# KiCad board VNTR-65.kicad_pcb (continued)
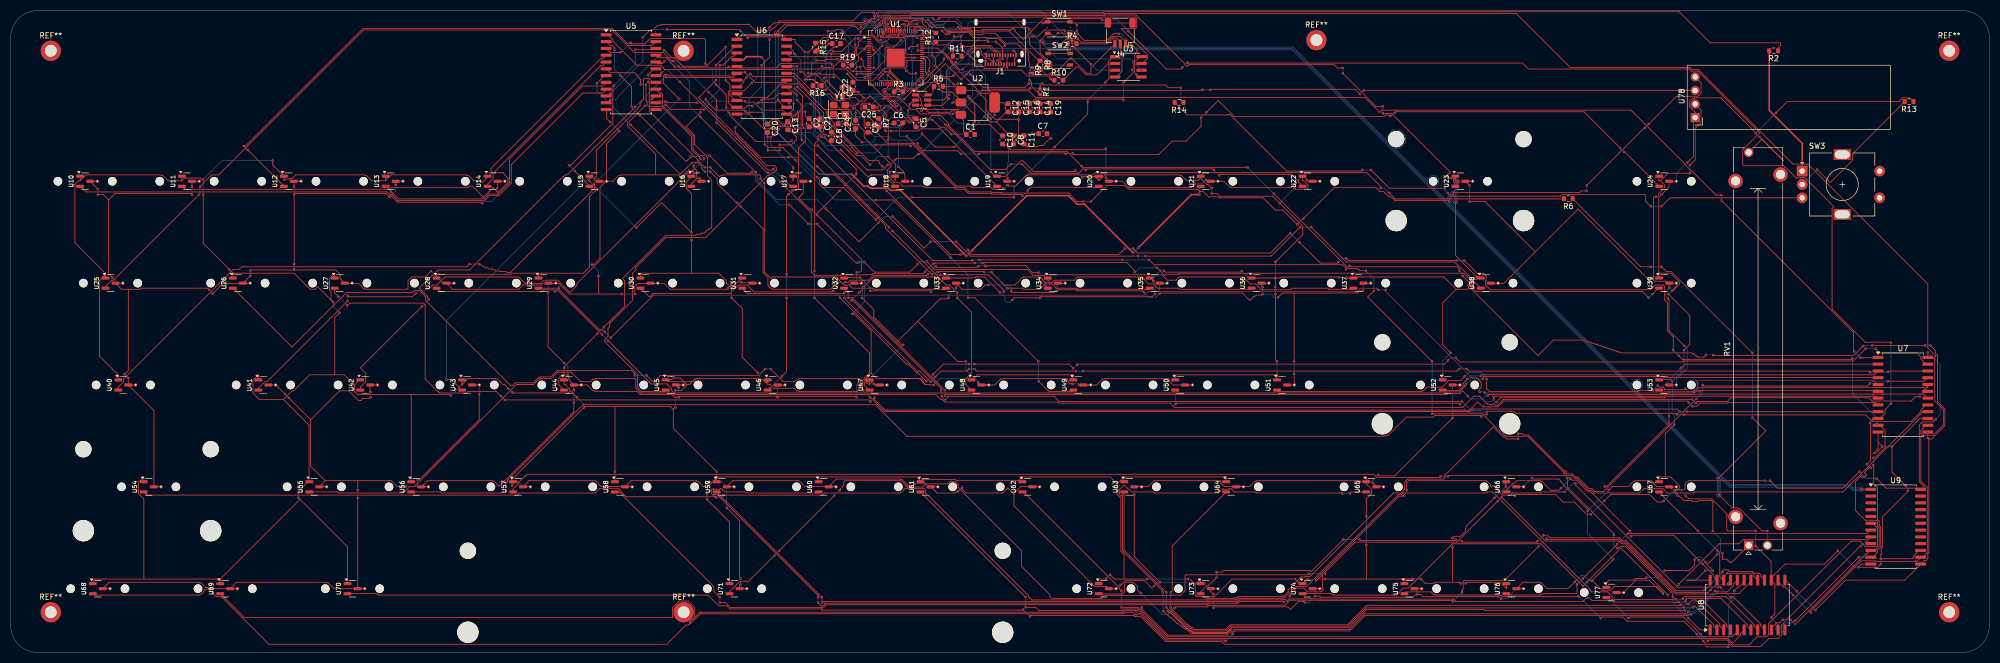
[diagram p0: board, top side]
## Routing (per net, layer and track width the routed paths; a pad name or vN(x,y) marks a point on that pad's centre or on a via; arc(x,y) is an arc through that point) (continued)
Net-(U11-VOUT): length 97.7
  Top w0.15: 111.4,110.4 110.7,109.7 110.3,109.7 90.5,89.9 90.5,89.7 92.2,89.7 92.2,89.5 93,88.7 93,87.9 91.1,86 90.2,86.9 88.4,85.1 86.3,87.2 85.8,87.2 85.6,87 85.3,87 85.2,86.9 71.2,86.9 70.9,86.6 32.6,86.6 32,87.2
Net-(U12-VOUT): length 98.3
  Top w0.15: v1(44.3,94) 51.1,87.2 ; v1(43.6,94.7) 43.9,94.7 65.9,116.7 112.5,116.7 115.7,113.5 119.9,113.5 120.6,114.2
  Bottom w0.15: v1(43.6,94.7) v1(44.3,94)
Net-(U13-VOUT): length 53.8
  Top w0.15: v1(71.1,86.2) 72.5,84.8 88.5,84.8 89.4,85.7 91.2,85.7 93.3,87.8 93.3,92.3 106.9,105.9 110.7,105.9 111.4,106.6
  Bottom w0.15: v1(71.1,86.2) v1(70.2,87.1)
Net-(U14-VOUT): length 34.3
  Top w0.15: 89.2,87.2 89.2,87.6 90.2,88.6 90.2,89.6 89.8,90 89.8,90.5 110.3,111 110.7,111 111.4,111.7
Net-(U15-VOUT): length 36.2
  Top w0.15: v1(112.8,106) 112.6,105.8 112.6,99 104.7,91.1 v1(104.4,91.1) ; v1(116.8,112.7) 120.4,112.7 120.6,112.9 ; v1(105.5,90) 108.2,87.3
  Bottom w0.15: v1(116.8,112.7) 116.8,110 v1(112.8,106) ; v1(104.4,91.1) v1(105.5,90)
Net-(U16-VOUT): length 28.8
  Top w0.15: 120.3,109.1 v1(119.2,108) ; v1(119.2,106.7) 119.4,106.5 119.4,102.4 119.7,102.1 121.7,102.1 127.3,96.5 127.3,94 v1(129,92.3) ; v1(127.7,91) 127.7,90.7 128.3,90.1 128.3,88.6 127.3,87.6 127.3,87.2
  Bottom w0.15: v1(129,92.3) v1(127.7,91) ; v1(119.2,108) v1(119.2,106.7)
Net-(U17-VOUT): length 34.2
  Top w0.15: v1(144.3,88.7) 145.8,87.2 ; 121.2,107.9 v1(121.7,108.4) ; v1(142.6,90.4) 142.4,90.2 141.6,90.2 v1(125.1,106.7)
  Bottom w0.15: 121.8,108.4 122.4,109 122.8,109 v1(125.1,106.7) ; v1(142.6,90.4) v1(144.3,88.7)
Net-(U18-VOUT): length 43.2
  Top w0.15: 135.8,104.5 136.5,103.8 141.5,103.8 144,106.3 146.9,106.3 147,106.4 147.3,106.4 152.2,101.5 156.8,101.5 157.2,101.1 157.2,99.1 157.6,98.7 158.4,98.7 159.6,97.5 159.6,96.3 164.6,91.3 164.6,90.9 164,90.3 164,88.6 165.4,87.2
Net-(U19-VOUT): length 62.3
  Top w0.15: v1(164.6,97.5) 169.7,97.5 170.1,97.9 173.8,97.9 176.9,94.8 176.9,94.7 184.4,87.2 ; v1(137.6,107.5) 137.1,107 137.1,106.7 136.1,105.7 ; v1(163.6,97.5) 163.5,97.6 163.5,99.9 163.8,100.2 163.8,100.6 162.7,101.7 162.7,102.1 160.7,104.1 159.7,103.1 158.6,103.1 157.9,103.8 157,103.8 156.8,103.6 156.2,103.6 155.8,103.2 154.3,103.2 153.1,104.4 149.7,104.4 146.4,107.7 138.8,107.7 v1(138.3,108.2)
  Bottom w0.15: v1(164.6,97.5) v1(163.6,97.5) ; v1(138.3,108.2) v1(137.6,107.5)
Net-(U20-VOUT): length 89.7
  Top w0.15: 203.5,87.2 203.2,86.9 199.1,86.9 199,87 190.8,87 v1(190.2,86.4) ; 153.6,110 153.4,110.2 147,110.2 146.9,110.1 144,110.1 143.2,109.3 136.1,109.3 135.8,109.6 ; v1(189.2,85.4) 189,85.6 185.3,85.6 185.2,85.7 183.4,85.7 183.3,85.8 179.1,85.8 178.3,86.6 176.7,86.6 176.4,86.9 171.2,86.9 171.1,87 170.9,87 170.7,87.2 166.8,87.2 166.1,87.9 165.2,87.9 164.4,88.7 164.4,89.8 v1(164.5,89.9) ; v1(153.9,107.6) 152.3,107.6 v1(152.1,107.4) ; v1(163,90.9) 162.4,91.5 162.4,91.8 162.2,92 160.4,92 154,98.4 154,99 152.7,100.3 v1(152.7,101)
  Bottom w0.15: v1(152.7,101) 151.5,102.2 151.5,106.8 v1(152.1,107.4) ; v1(153.6,109.9) 153.9,109.6 v1(153.9,107.6) ; v1(189.2,85.4) v1(190.2,86.4) ; v1(163,90.9) 164,89.9 v1(164.5,89.9)
Net-(U21-VOUT): length 123.7
  Top w0.3: v1(157.3,89.4) 159.5,87.2 160.3,87.2 160.6,86.9 160.8,86.9 160.9,86.8 164.1,86.8 164.5,86.4 166.4,86.4 v1(178.7,74.1) ; v1(209.9,74.7) 200.8,83.8 199.4,83.8 197.8,85.4 190,85.4 v1(179.7,75.1) ; v1(210.9,75.7) 220.8,85.6 v1(222.3,85.6) ; 135.8,110.8 137,110.8 137.6,111.4 140.3,111.4 v1(140.4,111.3)
  Bottom w0.3: v1(157.3,89.4) 151.2,89.4 140.9,99.7 140.9,110.8 v1(140.4,111.3) ; v1(209.9,74.7) v1(210.9,75.7) ; v1(222.3,85.6) v1(222.3,87) ; v1(178.7,74.1) v1(179.7,75.1)
Net-(U22-VOUT): length 114
  Top w0.15: 241.6,87.2 240.8,88 240.8,88.1 239.5,89.4 226.2,89.4 v1(226,89.2) ; v1(200.3,90.9) 197.5,93.7 180.2,93.7 175.4,98.5 175.4,98.9 173.9,100.4 172.3,100.4 171.8,99.9 171.8,99.8 171.7,99.7 171.7,99.6 171.2,99.1 v1(170.2,99.1) ; v1(147.7,108.6) 148,108.6 148.9,107.7 149.3,107.7 149.6,108 150.8,108 152.3,106.5 152.3,106 v1(154.5,103.8) ; v1(163.2,103.5) 163.4,103.7 163.5,103.7 v1(168.1,99.1) ; v1(146.6,111.9) 146.4,112.1 146.4,112.4 145.4,113.4 ; v1(201,90.2) 201.2,90.4 224.8,90.4 v1(225,90.2)
  Bottom w0.15: v1(163.2,103.5) 162,103.5 158.7,100.2 157.8,100.2 154.5,103.5 v1(154.5,103.8) ; v1(146.6,111.9) 147.7,110.8 v1(147.7,108.6) ; v1(170.2,99.1) v1(168.1,99.1) ; v1(226,89.2) v1(225,90.2) ; v1(201,90.2) v1(200.3,90.9)
Net-(U23-VOUT): length 150.5
  Top w0.15: v1(256.6,102.1) 255.3,102.1 v1(249.1,108.3) ; U23.2 271,88 270.62,88.38 270.62,88.02 270.38,87.78 270.02,87.78 269.77,88.02 269.77,88.38 269.95,88.55 269.95,88.58 269.42,88.58 269.25,88.75 269.18,88.67 268.82,88.67 268.57,88.92 268.57,89.28 268.82,89.53 268.97,89.53 269.22,89.78 258.2,100.8 v1(256.6,100.8) ; v1(157.9,113.6) 157.9,112.5 157.8,112.4 157.8,111.7 157.5,111.4 145.8,111.4 145.1,112.1 ; v1(158.9,116) 159,116.1 159,116.2 161,118.2 161.4,117.8 161.6,117.8 162.1,118.3 162.3,118.3 162.8,118.8 168.2,118.8 168.5,119.1 204.5,119.1 204.6,119.2 210.4,119.2 220,109.6 220.2,109.8 220.3,109.8 220.4,109.9 247.5,109.9 248.1,109.3 v1(249.1,109.3)
  Bottom w0.15: v1(158.9,116) 158.9,115.7 158.7,115.5 158.3,115.5 157.9,115.1 v1(157.9,113.6) ; v1(249.1,109.3) v1(249.1,108.3) ; v1(256.6,102.1) v1(256.6,100.8)
Net-(U24-VOUT): length 187.3
  Top w0.15: v1(222.6,100) 222.6,98.4 219.8,95.6 217.2,95.6 214.7,93.1 198.8,93.1 v1(198.6,93.3) ; v1(301,94.3) 294.2,101.1 259,101.1 v1(258.8,100.9) ; v1(177.7,93.2) 177.1,93.8 170.7,93.8 169.6,94.9 v1(169.6,95.2) ; v1(168.3,94.7) 168.1,94.9 v1(161.7,94.9) ; v1(223.6,101) 225.8,103.2 228.8,100.2 256.8,100.2 257.1,100.5 257.8,100.5 v1(258,100.3) ; 145.1,108.3 146.5,108.3 v1(149.9,104.9) ; v1(181,93.2) 181.2,93.4 197.1,93.4 v1(197.3,93.2) ; 308.2,87.2 301.8,93.6
  Bottom w0.15: v1(161.7,94.9) 159.4,94.9 159.3,94.8 152.4,94.8 150.2,97 150.2,104.6 v1(149.9,104.9) ; v1(197.3,93.2) 197.4,93.3 v1(198.6,93.3) ; v1(223.6,101) v1(222.6,100) ; v1(301.7,93.6) v1(301,94.3) ; v1(168.3,94.7) 168.8,95.2 v1(169.6,95.2) ; v1(181,93.2) v1(177.7,93.2) ; v1(258.8,100.9) 258.6,100.9 v1(258,100.3)
Net-(U25-VOUT): length 153
  Top w0.15: v1(137.3,108.5) 139.2,106.6 145.1,106.6 145.1,107 ; 17.7,68.1 17.7,68.4 18.9,69.6 19.2,69.6 v1(35.2,85.6) ; v1(123.9,110.6) 123.6,110.6 122,112.2 116.6,112.2 112.4,116.4 66,116.4 38.9,89.3 37.7,89.3 37.5,89.1 37.4,89.1 v1(35.4,87.1) ; v1(124.9,109.6) 125.2,109.3 134.1,109.3 v1(134.3,109.5)
  Bottom w0.15: v1(137.3,108.5) 135.3,108.5 v1(134.3,109.5) ; v1(35.4,87.1) 35.4,85.8 v1(35.2,85.6) ; v1(124.9,109.6) v1(123.9,110.6)
Net-(U26-VOUT): length 332.7
  Top w0.15: v1(313.5,45) U7.9 ; 41.6,68.1 52.6,57.1 62.8,67.3 75.1,67.3 75.5,67.7 76.4,67.7 77.6,66.5 77.6,65.8 93.5,49.9 93.9,49.9 94.4,50.4 97.7,50.4 98.7,51.4 98.9,51.4 99,51.5 101,51.5 102.2,52.7 116.1,52.7 116.7,52.1 v1(116.7,51.8) ; v1(142.1,53) 144.5,50.6 146.5,50.6 147,51.1 147.3,51.1 147.4,51.2 158.7,51.2 158.9,51 158.9,50.5 159.3,50.1 159.3,49.1 v1(159.4,49) ; v1(160.7,47.7) 162.9,45.5 162.95,45.5 163.4,45.05 272.9,45.05 273.35,45.5 311.6,45.5 v1(312.1,45) ; v1(141.1,53) 139.9,51.8 121.5,51.8 120.2,50.5 v1(118.9,51.8)
  Bottom w0.15: v1(312.1,45) v1(313.5,45) ; v1(116.7,51.8) v1(118.9,51.8) ; v1(159.4,49) v1(160.7,47.7) ; v1(141.1,53) v1(142.1,53)
Net-(U27-VOUT): length 310.2
  Top w0.15: v1(161.5,47.6) 161.5,47.3 163.5,45.3 272.8,45.3 274.2,46.7 274.5,46.7 275.3,45.9 278.1,45.9 279.2,47 313.5,47 v1(313.8,46.7) ; v1(61.3,66.5) 60.6,67.2 U27.2 ; v1(92.4,47.2) 160.5,47.2 v1(160.8,46.9) ; 63,64.9 63.4,65.3 77.1,65.3 77.5,64.9 77.5,51.1 79.6,49 79.7,49 80.2,48.5 85.2,48.5 85.5,48.8 90.6,48.8 90.7,48.9 v1(91.7,47.9) ; v1(314.5,46) 315.3,46 315.9,46.6 321.1,46.6 321.2,46.7 348.8,46.7 349.2,46.3
  Bottom w0.15: v1(62.9,64.9) v1(61.3,66.5) ; v1(161.5,47.6) v1(160.8,46.9) ; v1(314.5,46) v1(313.8,46.7) ; v1(92.4,47.2) v1(91.7,47.9)
Net-(U28-VOUT): length 290.5
  Top w0.1: 273.3,51.3 257.1,67.5 ; 255.4,68.1 252.4,68.1 251.8,67.5 212.8,67.5 212.1,66.8 120.2,66.8 ; 349.2,50.1 348.5,50.8 315.1,50.8 ; 275.7,48.5 309,48.5 309.3,48.8 314.5,48.8
  Top w0.15: v1(255.7,67.8) 255.4,68.1 ; v1(274.7,48.7) 274.72,49.28 275,49.6 275,50.3 274.84,50.52 274.8,50.6 274.81,50.65 274.43,51.02 274.1,51.3 273.3,51.3 ; 315.1,50.8 315.5,50.4 315.4,50.3 315.4,49.5 314.9,49 314.8,49 314.7,48.9 314.6,48.9 314.5,48.8 ; v1(102.5,68.2) 102.5,67.9 110.1,60.3 110.7,60.3 v1(111.1,59.9) ; 257.1,67.5 257.1,67.8 ; v1(101.8,67.5) 101.5,67.8 99.7,67.8 99.4,67.5 80.2,67.5 79.6,68.1 ; 120.2,66.8 112.2,58.8
  Bottom w0.15: 275.7,48.5 275.5,48.7 v1(274.7,48.7) ; 257.1,67.8 v1(255.7,67.8) ; 112.2,58.8 v1(111.1,59.9) ; v1(102.5,68.2) v1(101.8,67.5)
  vias: v1(112.23,58.83) v1(257.12,67.79) v1(275.67,48.53)
Net-(U29-VOUT): length 260.9
  Top w0.15: 275.2,51.2 275.4,51.4 275.4,51.5 275.5,51.6 308.9,51.6 309.1,51.4 349.2,51.4 ; v1(111.7,58.3) 119.4,50.6 119.4,50.5 119.7,50.2 122.7,50.2 123.6,49.3 123.6,49 124.1,48.5 268.5,48.5 268.7,48.7 270.9,48.7 271.9,49.7 271.9,49.9 v1(272.1,50.1) ; U29.2 101.9,68.1 v1(110.6,59.4)
  Bottom w0.15: 272.2,50.1 273,50.9 273,51.3 273.1,51.4 273.8,51.4 274.1,51.1 275,51.1 275.1,51.2 v1(275.3,51.2) ; v1(111.7,58.3) v1(110.6,59.4)
Net-(U30-VOUT): length 254.8
  Top w0.15: v1(155.1,66.3) 167.5,53.9 167.8,53.9 169.4,52.3 169.6,52.3 v1(171.2,50.7) ; v1(348.7,56.8) 349.5,56 356.4,56 357.2,55.2 357.2,54.9 358.2,53.9 ; v1(153.8,67.6) 153.6,67.4 139,67.4 137.7,68.7 136.1,68.7 134.5,67.1 120.1,67.1 119.5,66.5 119.4,66.5 117.8,68.1 ; v1(346.9,56.8) 344.6,54.5 312.9,54.5 312.7,54.3 271,54.3 v1(270.2,55.1) ; v1(198.7,53.1) 197.9,53.9 v1(180.2,53.9) ; v1(199.4,53.8) 199.5,53.9 268.1,53.9 v1(268.8,54.6) ; v1(179.2,53.9) 174.4,53.9 v1(172.5,52)
  Bottom w0.15: v1(268.8,54.6) 269.3,55.1 v1(270.2,55.1) ; v1(198.7,53.1) v1(199.4,53.8) ; v1(171.2,50.7) v1(172.5,52) ; v1(179.2,53.9) v1(180.2,53.9) ; v1(153.8,67.6) v1(155.1,66.3) ; v1(346.9,56.8) v1(348.7,56.8)
Net-(U31-VOUT): length 231.4
  Top w0.15: v1(180.2,53) 180.6,52.6 v1(199.2,52.6) ; v1(351,52.4) 351.2,52.6 358.5,52.6 ; v1(270.9,53) 270.5,52.6 v1(200.5,52.6) ; v1(179.2,53) 178.8,52.6 174,52.6 v1(172.9,51.5) ; U31.2 137.8,67.1 155.7,67.1 v1(155.9,67.3) ; v1(347.7,52.4) 347.5,52.6 272.7,52.6 v1(272.3,53) ; v1(155.9,66.3) 156.1,66.1 156.1,66 169.5,52.6 170,52.6 v1(172,50.6)
  Bottom w0.15: v1(155.9,67.3) v1(155.9,66.3) ; v1(347.7,52.4) v1(351,52.4) ; v1(172,50.6) v1(172.9,51.5) ; v1(179.2,53) v1(180.2,53) ; v1(199.2,52.6) v1(200.5,52.6) ; v1(270.9,53) v1(272.3,53)
Net-(U32-VOUT): length 214.4
  Top w0.15: v1(156.6,67.3) 155.8,68.1 ; v1(272.5,47.9) 271.5,48.9 271,48.4 268.8,48.4 268.6,48.2 174.9,48.2 v1(174.7,48) ; 358.5,48.8 357.8,49.5 315.8,49.5 314.9,48.6 314.7,48.6 314.6,48.5 309.4,48.5 309.1,48.2 276.4,48.2 v1(276.2,48) ; v1(156.6,66.3) 157.4,66.3 v1(174.7,49)
  Bottom w0.15: v1(276.2,48) 275.9,48 275.3,47.4 273,47.4 v1(272.5,47.9) ; v1(174.7,48) v1(174.7,49) ; v1(156.6,66.3) v1(156.6,67.3)
Net-(U33-VOUT): length 233.2
  Top w0.15: v1(174,49) 174,49.3 157.4,65.9 157.1,65.9 v1(157.2,65.8) ; 358.5,47.5 357.7,48.3 357.6,48.2 357.5,48.3 350.2,48.3 350.1,48.2 350,48.3 348.4,48.3 348.3,48.2 348.2,48.3 314.8,48.3 314.7,48.2 309.5,48.2 309.2,47.9 277.1,47.9 277.4,47.6 277.3,47.5 v1(277.3,47.3) ; v1(158.7,67.3) 159.5,68.1 161.2,68.1 161.4,67.9 174.7,67.9 ; v1(271.4,46.9) 196.1,46.9 195.1,47.9 175.3,47.9 175.2,47.8 175.3,47.8 174.8,47.3 174.8,47.1 174.1,47.8
  Bottom w0.15: v1(271.4,46.9) 273.1,45.2 274.9,45.2 275.4,45.7 275.4,46.1 276.2,46.9 276.9,46.9 v1(277.3,47.3) ; v1(174,49) 174.1,48.9 v1(174.1,47.9) ; v1(157.2,65.8) v1(158.7,67.3)
Net-(U34-VOUT): length 116
  Top w0.15: v1(193.6,68.4) 193.9,68.1 ; v1(192.2,71) 191.1,71 189.8,72.3 182.6,72.3 182.4,72.1 v1(182.2,72.3) ; v1(180.9,72.2) 180.7,72 173.2,72 v1(173,72.2) ; v1(171.5,70.7) 171.3,70.5 161.3,70.5 160.4,69.6 157,69.6 156.6,69.2 v1(156,69.2) ; v1(129.8,89.9) 129.2,90.5 129.2,90.9 128.5,91.6 127.6,91.6 127.5,91.5 127.3,91.5 125.2,89.4 v1(115.9,98.7) ; v1(154.7,69.1) 154.5,69.1 153.3,67.9 142.5,67.9 142.4,68 142.2,68 141.8,68.4 141.8,68.5 141.6,68.7 141.6,70.1 140.7,71 140.7,79.2 v1(136.5,83.4) ; 111.1,107.9 v1(109.6,106.4) ; 135.7,84.1 132.1,87.7 132.1,88.6 v1(130.8,89.9)
  Bottom w0.15: v1(154.7,69.1) 155.9,69.1 v1(156,69.2) ; v1(135.8,84.1) v1(136.5,83.4) ; v1(129.8,89.9) v1(130.8,89.9) ; v1(115.9,98.7) 109.6,105 v1(109.6,106.4) ; v1(182.2,72.3) 181.3,72.3 181.2,72.2 v1(180.9,72.2) ; v1(192.2,71) 192.2,69.8 v1(193.6,68.4) ; v1(171.5,70.7) v1(173,72.2)
Net-(U35-VOUT): length 135.9
  Top w0.15: v1(173.8,70.6) 182.8,70.6 185.7,67.7 v1(185.7,67.4) ; v1(118.8,106.2) 118.8,103.2 119,103 119,102.4 119.4,102 119.4,101.2 128.5,92.1 128.5,92 v1(129.8,90.7) ; v1(172.8,70.2) 161.4,70.2 159.6,68.4 159.4,68.4 159.1,68.1 157.4,68.1 156.8,68.7 155.8,68.7 154.9,69.6 154.9,69.7 154.4,70.2 142.4,70.2 142.2,70 142.1,70 141,71.1 141,87.7 v1(140.9,87.8) ; v1(117.8,106.2) 117.8,107.1 117.6,107.3 117.6,107.4 117.1,107.9 117.1,108 116.7,108.4 112.1,108.4 111.4,109.1 ; v1(130.8,90.7) 132.5,89 132.6,89 132.8,89.2 133,89.2 133.1,89.3 140,89.3 140.2,89.1 v1(140.2,88.5) ; 212.8,67.9 199.5,67.9 199.3,68.1 195.5,68.1 194.7,68.9 193.4,68.9 192.4,67.9 189.4,67.9 189.2,68.1 v1(186.4,68.1)
  Bottom w0.15: v1(185.7,67.4) v1(186.4,68.1) ; v1(129.8,90.7) v1(130.8,90.7) ; v1(173.8,70.6) 173.2,70.6 v1(172.8,70.2) ; v1(140.2,88.5) v1(140.9,87.8) ; v1(117.8,106.2) v1(118.8,106.2)
Net-(U36-VOUT): length 150
  Top w0.15: v1(131.9,106.2) 133.8,104.3 v1(133.8,101.9) ; v1(183.4,71.1) 186,68.5 186.2,68.7 187.8,68.7 189.2,70.1 189.4,70.1 189.5,70.2 192.5,70.2 193,69.7 193,69.6 193.4,69.2 194.7,69.2 195.1,69.6 198.9,69.6 199.5,70.2 211.6,70.2 212,69.8 212,69.7 212.8,68.9 213.7,68.9 214.5,68.1 218.4,68.1 218.6,67.9 231.8,67.9 ; v1(115.9,114) 116.1,113.8 118.6,113.8 119.6,114.8 129.7,114.8 129.9,114.6 v1(129.9,110.1) ; v1(134.3,100.9) 134.5,100.7 134.5,100.4 139.4,95.5 145.8,95.5 v1(146,95.7) ; v1(182,71.1) 181.9,71.2 173.7,71.2 173.6,71.1 v1(173.3,71.1) ; v1(114,112.2) 112.1,112.2 111.4,112.9 ; v1(150.8,90.9) 152.4,89.3 154.1,89.3 163.6,79.8 163.6,79.3 172.2,70.7
  Bottom w0.15: 114.1,112.2 v1(115.9,114) ; v1(131.9,106.2) 131.3,106.8 131.3,108.7 v1(129.9,110.1) ; v1(134.3,100.9) 133.8,101.4 v1(133.8,101.9) ; v1(173.3,71.1) 173,71.1 172.6,70.7 v1(172.3,70.7) ; v1(146,95.7) v1(150.8,90.9) ; v1(182,71.1) v1(183.4,71.1)
Net-(U37-VOUT): length 167.9
  Top w0.15: v2(114,107.9) 116.1,105.8 v2(116.1,102) ; v2(138.6,89.8) 138.4,89.6 134,89.6 v2(130.7,92.9) ; v2(145.6,83.7) v2(149.2,80.1) ; U37.2 250.9,67.9 246.5,67.9 246.3,68.1 239.6,68.1 239.3,67.8 233.9,67.8 232.8,68.9 231.8,68.9 230.5,70.2 218.7,70.2 218.6,70.1 218.4,70.1 217.9,69.6 216.3,69.6 215.3,70.6 193.3,70.6 193.2,70.5 191.2,70.5 190.1,71.6 172.8,71.6 v2(171.3,73.1) ; v2(112.9,112.7) 112.9,113.1 112.5,113.5 112.1,113.5 111.4,114.2 U5.2 ; v2(150.8,80.1) 158.1,72.8 158.4,72.8 v2(158.6,73) ; v2(127.2,92.7) 126.3,91.8 v2(117.6,100.5) ; v2(169.6,72.6) 168.1,71.1 161.5,71.1 v2(159.6,73)
  Bottom w0.15: v2(130.7,92.9) 129,92.9 128.8,92.7 v2(127.2,92.7) ; v2(149.2,80.1) v2(150.8,80.1) ; v2(158.6,73) v2(159.6,73) ; v2(145.6,83.7) 143.8,83.7 139.3,88.2 139.3,89.1 v2(138.6,89.8) ; v2(169.6,72.6) 170.1,73.1 v2(171.3,73.1) ; v2(116.1,102) v2(117.6,100.5) ; v2(114,107.9) 112.9,109 v2(112.9,112.7)
Net-(U38-VOUT): length 185.2
  Top w0.15: 274.9,68.1 273.4,69.6 273.4,69.7 271.2,71.9 271.1,71.9 270,73 249.7,73 v1(243.2,79.5) ; v1(212.2,74.1) 235.7,74.1 v1(241.1,79.5) ; v1(162.3,80.4) 158.7,76.8 158.6,76.8 v1(152.4,83) ; 120.6,111.7 121.1,111.2 122.6,111.2 123.4,110.4 123.4,110.3 v1(124.2,109.5) ; v1(210.8,74.1) 179.5,74.1 v1(176.8,76.8) ; v1(172,76.8) 170.8,75.6 v1(164.9,81.5) ; v1(128.9,100.2) v1(139.3,89.8)
  Bottom w0.15: v1(210.8,74.1) v1(212.2,74.1) ; v1(172,76.8) v1(176.8,76.8) ; v1(152.4,83) 150.7,84.7 143.2,84.7 139.6,88.3 139.6,89.5 v1(139.3,89.8) ; v1(128.9,100.2) 126.9,102.2 126.9,106.8 v1(124.2,109.5) ; v1(164.9,81.5) 163.4,81.5 v1(162.3,80.4) ; v1(241.1,79.5) v1(243.2,79.5)
Net-(U39-VOUT): length 219.7
  Top w0.15: v1(132,99.1) 141.4,89.7 v1(141.6,89.7) ; 120.9,110.1 121.8,110.1 v1(122.2,110.5) ; v1(210.2,71.1) 210.2,71.4 208.7,72.9 182.1,72.9 182,72.8 v1(181.7,72.8) ; v1(180.3,72.8) 172.9,72.8 172.8,72.7 v1(172.5,72.7) ; v1(132,101.9) 132,103.3 v1(130.5,104.8) ; v1(214.4,71.9) 215.8,70.5 216,70.7 218.4,70.7 218.5,70.8 231.2,70.8 231.3,70.9 271.7,70.9 273.4,69.2 273.4,68.1 274,67.5 305.1,67.5 v1(306.3,66.3) ; v1(307,67) 308.1,68.1 ; v1(171,71.2) 170.6,70.8 161.2,70.8 161,70.6 155.2,70.6 155.1,70.5 150.3,70.5 149.7,71.1 149.7,82.2 v1(143.9,88)
  Bottom w0.15: v1(132,101.9) v1(132,99.1) ; v1(141.6,89.7) 142,89.3 142.6,89.3 v1(143.9,88) ; v1(122.2,110.5) 122.9,111.2 124.1,111.2 v1(130.5,104.8) ; v1(180.3,72.8) v1(181.7,72.8) ; v1(171,71.2) v1(172.5,72.7) ; v1(306.3,66.3) v1(307,67) ; 210.3,71.1 211.1,71.9 v1(214.4,71.9)
Net-(U40-VOUT): length 133.1
  Top w0.15: v1(85.8,72.6) 85.3,72.1 43.2,72.1 42.7,71.6 41.6,71.6 21.1,51.1 21.1,50.6 20.1,49.6 20.1,49 ; 120.1,106.6 119.4,107.3 118.5,107.3 118.3,107.1 118.3,103.4 118,103.1 118,103 117.7,102.7 117.7,102.2 117.3,101.8 117.3,101.7 109.5,93.9 109.5,89 109.1,88.6 109.1,87.6 109.2,87.5 109.2,86.8 93.4,71 92.9,71 92.7,71.2 91.6,71.2 91.5,71.3 90.7,71.3 90.4,71.6 90.1,71.6 90,71.7 89.4,71.7 89.2,71.9 88.8,71.9 88.5,72.2 88.2,72.2 87.8,72.6 v1(87.6,72.6)
  Bottom w0.15: v1(87.6,72.6) v1(85.8,72.6)
Net-(U41-VOUT): length 122.8
  Top w0.15: v1(77.9,68) 78.2,68 78.9,68.7 79.7,68.7 81.2,70.2 95,70.2 96.2,69 99.1,69 99.7,69.6 102.3,69.6 104.6,67.3 105.7,68.4 105.7,68.5 105.9,68.7 105.9,69 126.5,89.6 127.1,89.6 v1(127.6,90.1) ; v1(75.7,67.1) 75.1,66.5 63.2,66.5 v1(63,66.7) ; 46.3,49 46.3,49.4 47.5,50.6 47.9,50.6 v1(63,65.7) ; 120.6,105.3 121.3,104.6 121.7,104.6 121.9,104.4 121.9,102.3 127.6,96.6 127.6,94.1 128.8,92.9 129.2,92.9 v1(129.7,92.4)
  Bottom w0.15: v1(77.9,68) 77.7,68 77.3,67.6 76.2,67.6 v1(75.7,67.1) ; v1(127.6,90.1) 129.5,92 129.5,92.1 129.6,92.2 129.6,92.3 v1(129.7,92.4) ; v1(63,66.7) v1(63,65.7)
Net-(U42-VOUT): length 102.1
  Top w0.15: v1(122.5,107.7) 122.7,107.5 134.3,107.5 134.8,107 135.8,107 ; v1(76.9,64.7) 65.4,53.2 66.4,52.2 66.4,50.6 65.4,49.6 65.4,49 ; v1(78.2,66) 77.9,66.3 77.9,66.6 76.4,68.1 78.8,70.5 78.9,70.5 79.9,71.5 85.8,71.5 103.3,89 103.4,89 103.7,89.3 104.1,89.3 v1(116.8,102)
  Bottom w0.15: v1(122.5,107.7) v1(116.8,102) ; v1(78.2,66) v1(76.9,64.7)
Net-(U43-VOUT): length 95.6
  Top w0.15: 135.8,108.3 135,107.5 134.9,107.6 134.6,107.6 134.4,107.8 123.1,107.8 ; v2(125,103.5) 122.1,106.4 122.1,107.87 122.33,108.1 122.8,108.1 123.1,107.8 ; v2(81.5,51) 82.46,51 U43.2 ; 123.1,107.9 123,107.9 123.1,107.8
  Bottom w0.15: v2(125,103.5) 110.1,88.6 108.03,88.6 81.5,62.07 v2(81.5,51)
Net-(U44-VOUT): length 86.5
  Top w0.15: 103.5,49 102.5,50 102.5,51.3 103.1,51.9 v1(103.5,51.9) ; v1(110.9,60.8) 114.8,64.7 114.8,69.5 114.4,69.9 122.5,78 128.1,78 128.3,78.2 129,78.2 129.2,78.4 129.7,78.4 130.2,78.9 130.3,78.9 130.6,79.2 130.8,79.2 131.1,79.5 131.1,88.3 130.3,89.1 130.3,92.6 127.9,95 127.9,96.7 126.3,98.3 v1(129,101) ; v1(109.7,59.6) 103.5,53.4 v1(103.5,53.2) ; v1(132.6,109.8) 133.2,109.8 134.8,111.4 135.1,111.4 135.8,112.1
  Bottom w0.15: v1(110.9,60.8) v1(109.7,59.6) ; v1(103.5,53.2) v1(103.5,51.9) ; v1(132.6,109.8) 132.5,109.7 132.5,105.2 129,101.7 v1(129,101)
Net-(U45-VOUT): length 99.8
  Top w0.15: 135.5,113.4 v1(131.9,109.8) ; v1(131.9,107) 128.7,103.8 128.7,103.7 141.4,91 142.8,91 143.2,90.6 143.2,90.2 142.7,89.7 142.3,89.7 141.8,89.2 141.6,89.2 130,77.6 122.5,77.6 116.9,72 116.9,71.5 116.3,70.9 116.3,65.8 112,61.5 112,60.9 111.7,60.6 111.7,59.1 111.1,58.5 111.1,58.1 117.2,52 117.2,49.6 117.4,49.4 117.4,49.3 117.9,48.8 122.3,48.8 122.5,49
  Bottom w0.15: v1(131.9,109.8) v1(131.9,107)
Net-(U46-VOUT): length 66.5
  Top w0.15: v1(145.5,85.7) 145.1,85.3 v1(145.1,70.7) ; 146.7,105.4 148.1,104 148.1,98.3 148.6,97.8 148.6,95.6 147.3,94.3 147.3,88.7 147.2,88.6 147.2,87.8 147.3,87.7 147.3,86.8 146.9,86.4 v1(146.2,86.4) ; v1(144.2,51.6) 145.1,52.5 v1(145.1,66.3) ; 141.6,49 v1(142,49.4)
  Bottom w0.15: v1(146.6,105.4) 146.5,105.5 146.5,109.4 v1(145.2,110.7) ; v1(145.5,85.7) v1(146.2,86.4) ; v1(142,49.4) v1(144.2,51.6) ; v1(145.1,66.3) v1(145.1,70.7)
Net-(U47-VOUT): length 71.3
  Top w0.15: 160.6,49 159.6,50 159.6,51.3 160.6,52.3 160.6,56 v1(150.3,66.3) ; 145.1,109.6 v1(147.1,109.6) ; v1(147.1,105.8) 152,100.9 152,99 152.02,99.03 152.38,99.03 152.62,98.78 152.62,98.42 152.38,98.17 152.13,98.17 152,98.05 152,97.5 151,96.5 151,95.8 150.4,95.2 150.4,94.8 150.3,94.7 v1(150.3,71.3)
  Bottom w0.15: v1(147.1,109.6) v1(147.1,105.8) ; v1(150.3,71.3) v1(150.3,66.3)
Net-(U48-VOUT): length 72.4
  Top w0.15: v1(177,67.3) 175.6,68.7 174.9,68.7 173.9,69.7 173.9,69.8 v1(164.9,78.8) ; v1(150.8,93) 164.2,79.6 ; v1(147,103.3) 147.8,102.5 147.8,96 v1(148,95.8) ; 145.1,105.7 145.8,105 146.2,105 146.9,104.3 ; 179.7,49 178.6,50.1 178.6,51.2 179.7,52.3 179.7,63.6 v1(177,66.3)
  Bottom w0.15: v1(148,95.8) v1(150.8,93) ; v1(164.2,79.5) v1(164.9,78.8) ; v1(177,67.3) v1(177,66.3) ; v1(147,104.3) v1(147,103.3)
Net-(U49-VOUT): length 95.4
  Top w0.15: v1(161.8,84.6) 165,84.6 v1(175.8,73.8) ; v1(192.2,54.4) 180.3,66.3 v1(179,66.3) ; v1(192.2,50.7) 193.9,49 194,49 194.2,48.8 198.5,48.8 198.7,49 ; v1(140.4,103.3) 140.6,103.5 142.6,103.5 143.6,104.5 145.1,104.5 ; v1(141,95) 141.6,94.4 144.4,94.4 v1(146.8,92)
  Bottom w0.15: v1(175.8,73.8) 179,70.6 v1(179,66.3) ; v1(192.2,50.7) v1(192.2,54.4) ; v1(146.8,92) 154.2,84.6 v1(161.8,84.6) ; v1(140.4,103.3) 140.5,103.2 140.5,99.6 141,99.1 v1(141,95)
Net-(U50-VOUT): length 136.2
  Top w0.15: 349.2,47.5 348.8,47.9 309.6,47.9 309.3,47.6 278.6,47.6 v1(277.8,46.8) ; v1(271,46.4) 270.8,46.6 218,46.6 v1(217.8,46.4)
  Bottom w0.15: v1(277.8,46.8) 277.5,46.8 275.6,44.9 272.5,44.9 v1(271,46.4) ; v1(217.8,46.4) v1(217.8,49)
Net-(U51-VOUT): length 118.3
  Top w0.15: 349.2,48.8 348.9,49.1 348.8,49 315.7,49 ; v1(308,49.9) 308.3,49.6 309,49.6 309.3,49.3 309.3,49.1 313,49.1 v1(313.2,49.3) ; 236.8,49 237,48.8 263.8,48.8 263.9,48.9 264.2,48.9 264.6,49.3 264.6,49.4 264.8,49.6 267.7,49.6 268.9,50.8 271.1,50.8 v1(271.9,51.6) ; v1(315.8,48.8) 315.8,49 ; v1(276,51.1) 276,49.3 276.5,48.8 304.3,48.8 304.4,48.9 304.6,48.9 304.7,49 v1(307.1,49)
  Bottom w0.15: v1(276,51.1) 276,51.4 275.1,52.3 272.6,52.3 v1(271.9,51.6) ; v1(313.2,49.3) 313.7,48.8 v1(315.8,48.8) ; v1(308,49.9) v1(307.1,49)
Net-(U52-VOUT): length 83.2
  Top w0.15: 267.8,49 270.8,49 271.6,49.8 271.6,50.3 v1(272.4,51.1) ; 349.2,52.6 348.5,51.9 275.1,51.9 v1(274.9,51.7)
  Bottom w0.15: v1(274.9,51.7) 273,51.7 v1(272.4,51.1)
Net-(U53-VOUT): length 42.9
  Top w0.15: 349.2,53.9 313.1,53.9 v1(312.3,53.1)
  Bottom w0.15: v1(308.3,49.1) v1(312.3,53.1)
Net-(U54-VOUT): length 376.2
  Top w0.15: v1(351,50.7) 357.8,50.7 358.5,51.4 ; v1(133.3,29.4) 151.8,29.4 152.2,29.8 166.3,29.8 166.4,29.9 166.6,29.9 167,30.3 167,30.4 167.2,30.6 170.9,30.6 171.1,30.4 171.1,29.8 190.3,10.6 190.3,10.5 190.6,10.2 190.6,10.1 190.9,9.8 223.5,9.8 223.8,10.1 228.9,10.1 229,10.2 229.3,10.2 229.5,10.4 237.7,10.4 237.8,10.5 238.1,10.5 238.9,11.3 238.9,11.7 241.3,14.1 242.1,14.1 242.2,14.2 243,14.2 258.6,29.8 260,29.8 260.5,30.3 260.5,30.4 260.6,30.5 260.6,30.6 260.7,30.7 260.7,31.8 260.9,32 260.9,32.1 261.2,32.4 268,32.4 268.2,32.6 268.2,33.1 277.2,42.1 277.3,42.1 279.1,40.3 279.4,40.3 279.8,39.9 v1(281.9,39.9) ; v1(281.9,40.9) 282.6,40.9 282.85,40.65 283.8,40.65 290.43,34.03 290.68,34.03 290.93,33.78 290.93,33.42 290.85,33.35 292,33.35 292.55,32.8 293,32.8 295.2,30.6 295.7,30.6 296.2,30.1 297.9,30.1 v1(315.2,47.4) ; v1(131.9,29) 131.7,29.2 131.6,29.1 115.1,29.1 114,30.2 114,30.3 113.7,30.6 110.1,30.6 109.3,29.8 95.1,29.8 94.7,29.4 25.5,29.4 24.9,30 ; v1(347.7,50.3) 347.2,49.8 316.6,49.8 v1(316.4,50)
  Bottom w0.15: v1(281.9,39.9) v1(281.9,40.9) ; v1(315.2,47.4) 316.4,48.6 v1(316.4,50) ; v1(351,50.7) 348.1,50.7 v1(347.7,50.3) ; v1(131.9,29) 132.9,29 v1(133.3,29.4)
Net-(U55-VOUT): length 321.1
  Top w0.15: v1(314.4,47.3) 279.1,47.3 278,46.2 277.6,46.2 277.4,46.4 276.2,46.4 274.7,47.9 273.6,47.9 271.5,45.8 217.6,45.8 216.8,46.6 196,46.6 195.8,46.8 174.7,46.8 174.2,47.3 173.9,47.3 173,48.2 124,48.2 123.7,48.5 117.8,48.5 116.9,49.4 116.9,51 116.7,51.2 109.3,51.2 109.2,51.1 108.9,51.1 108.4,50.6 106.6,50.6 104.8,52.4 102.3,52.4 101.1,51.2 99.1,51.2 99,51.1 98.8,51.1 97.8,50.1 94.6,50.1 75.5,31 74.6,31 73.4,29.8 61.4,29.8 61.2,30 55.8,30 ; v1(315.1,46.6) 315.4,46.9 321,46.9 321.7,47.6 347.5,47.6 348.1,47 355.4,47 356.2,47.8 v1(357,47.8) ; 358.4,50 v1(358.4,49.6) 358.4,49.78
  Bottom w0.15: v1(358.4,49.6) 357,48.2 v1(357,47.8) ; v1(314.4,47.3) v1(315.1,46.6)
Net-(U56-VOUT): length 298.2
  Top w0.15: v1(276,44.5) 276,44.9 276.2,45.1 280.5,45.1 280.6,45 281.2,45 281.5,44.7 311.4,44.7 v1(311.6,44.5) ; v1(275,44.1) 274.8,44.3 266.3,44.3 266,44 261,44 257.6,40.6 257.3,40.6 257.2,40.5 256.9,40.5 256.8,40.4 167.6,40.4 161.7,46.3 107,46.3 92.9,32.2 92.9,31.9 92.5,31.5 92.5,31.4 92.1,31 92.1,30 91.9,29.8 80.5,29.8 80.3,30 74.9,30 ; v1(312.9,44.4) 313.1,44.6 313.3,44.4 346.9,44.4 348.1,43.2 355.4,43.2 357.2,45 357.2,45.3 358.2,46.3
  Bottom w0.15: v1(312.9,44.4) 312,44.4 311.9,44.5 v1(311.6,44.5) ; v1(276,44.5) 275.4,44.5 v1(275,44.1)
